# Altium PCB MainBoard.PcbDoc (part 1 of 2) (continued)
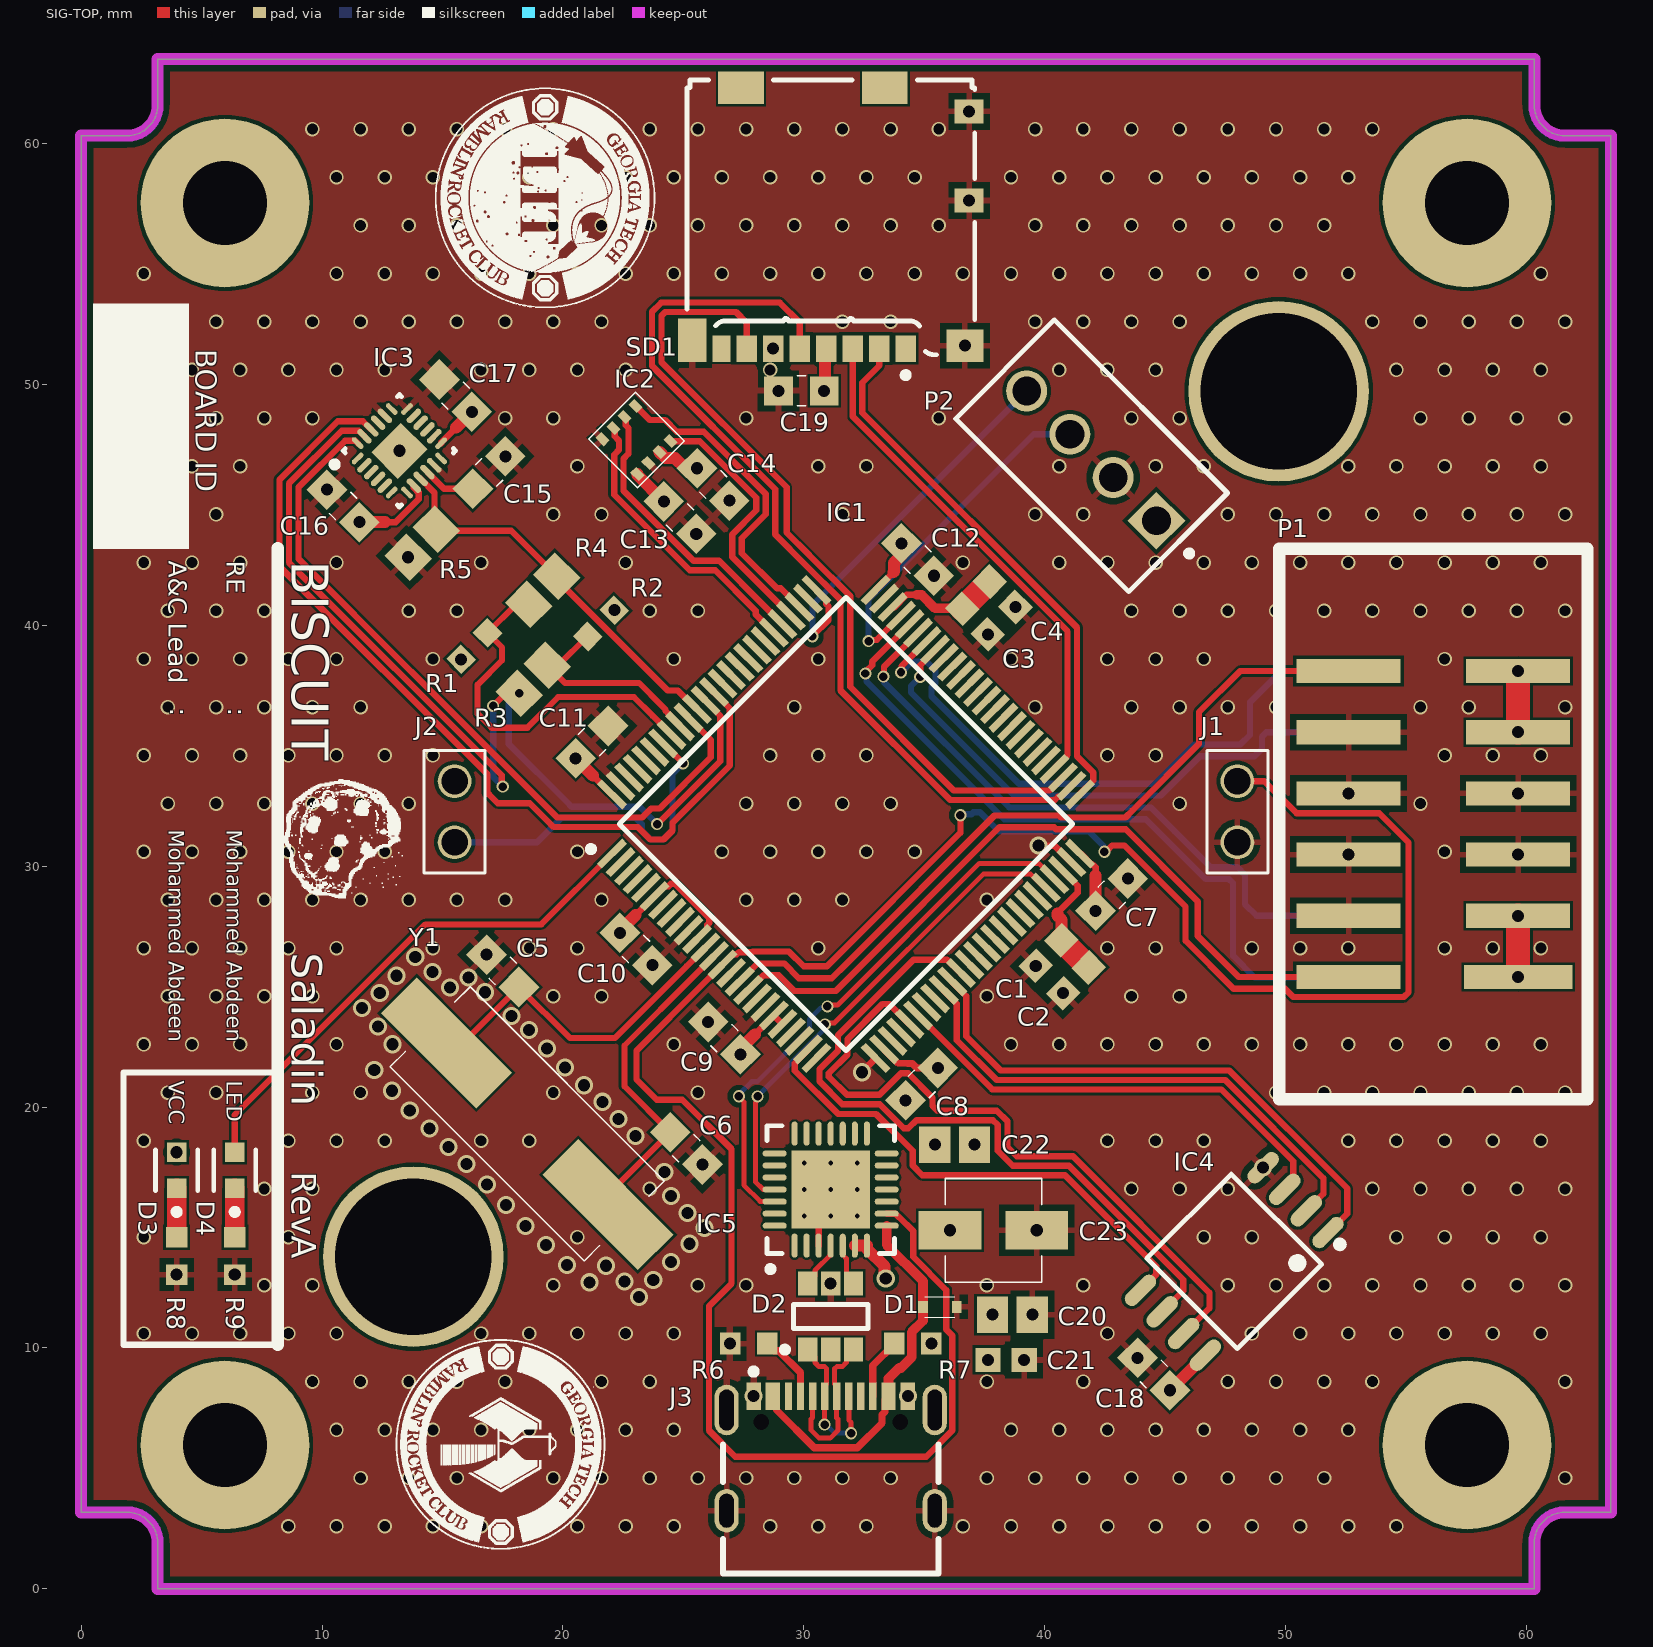
[diagram p0: SIG-TOP view]
## Design rules (kind name [scope] priority, off if disabled: settings)
Clearance ComponentClearance_1 [WithinRoom('IMU_Room') and WithinRoom('MCU_Room')] p1: gap=0.1 ignorepadtopadclearanceinfootprint=TRUE except(0: Hole-Hole; 0.14: Arc-Text Track-Text SMDPad-Text Text-Text; 0.15: SMDPad-THPad THPad-THPad THPad-Via THPad-Fill THPad-Poly THPad-Region Via-Via Via-Fill Via-Poly Via-Region; 0.152: SMDPad-Hole; 0.28: Arc-Hole Track-Hole THPad-Hole Via-Hole Text-Hole; 0.3: Fill-Hole Poly-Hole Region-Hole)
Clearance Clearance_1 [InNetClass('Feedback') And (ExistsOnLayer('GND') Or ExistsOnLayer('PWR')) vs (ExistsOnLayer('GND') Or ExistsOnLayer('PWR'))] p2: gap=0.2 ignorepadtopadclearanceinfootprint=FALSE except(0.1: Arc-Fill Arc-Poly Arc-Region Track-Fill Track-Poly Track-Region Fill-Text Poly-Text Region-Text; 0.127: SMDPad-SMDPad SMDPad-Fill SMDPad-Poly SMDPad-Region THPad-THPad Fill-Fill Fill-Poly Fill-Region Poly-Poly Poly-Region Region-Region; 0.152: SMDPad-Hole; 0.16: SMDPad-THPad; 0.23: Arc-Arc Arc-Track Arc-Text Track-Track Track-Text Text-Text; 0.254: Arc-Via Track-Via SMDPad-Via THPad-Via Via-Via Via-Text Hole-Hole; 0.28: Arc-Hole Track-Hole THPad-Hole Via-Hole Text-Hole; 0.3: Fill-Hole Poly-Hole Region-Hole) sourcerule=74 cellrowname=Feedback cellrowtype=2 cellcolname=All cellcoltype=0 innerlayers=TRUE
Clearance Clearance_2 [InNetClass('Feedback') And (ExistsOnLayer('SIG-TOP') Or ExistsOnLayer('SIG_BOT')) vs (ExistsOnLayer('SIG-TOP') Or ExistsOnLayer('SIG_BOT'))] p3: gap=0.2 ignorepadtopadclearanceinfootprint=FALSE except(0.1: Arc-Fill Arc-Poly Arc-Region Track-Fill Track-Poly Track-Region Fill-Text Poly-Text Region-Text; 0.127: SMDPad-SMDPad SMDPad-Fill SMDPad-Poly SMDPad-Region THPad-THPad Fill-Fill Fill-Poly Fill-Region Poly-Poly Poly-Region Region-Region; 0.152: SMDPad-Hole; 0.16: SMDPad-THPad; 0.23: Arc-Arc Arc-Track Arc-Text Track-Track Track-Text Text-Text; 0.254: Arc-Via Track-Via SMDPad-Via THPad-Via Via-Via Via-Text Hole-Hole; 0.28: Arc-Hole Track-Hole THPad-Hole Via-Hole Text-Hole; 0.3: Fill-Hole Poly-Hole Region-Hole) sourcerule=74 cellrowname=Feedback cellrowtype=2 cellcolname=All cellcoltype=0 outerlayers=TRUE
Clearance Clearance_3 [InNetClass('Feedback')] p4: gap=0.254 ignorepadtopadclearanceinfootprint=FALSE sourcerule=74 cellrowname=Feedback cellrowtype=2 cellcolname=All cellcoltype=0
Clearance Clearance_1 [InNetClass('Power') And (ExistsOnLayer('GND') Or ExistsOnLayer('PWR')) vs (ExistsOnLayer('GND') Or ExistsOnLayer('PWR'))] p5: gap=0.1 ignorepadtopadclearanceinfootprint=FALSE except(0.09: Arc-Arc Arc-Track Arc-Text Track-Track Track-Text Text-Text; 0.15: Arc-Hole Track-Hole SMDPad-SMDPad SMDPad-THPad THPad-THPad THPad-Via THPad-Fill THPad-Poly THPad-Region Via-Via Via-Fill Via-Poly Via-Region Text-Hole; 0.152: SMDPad-Hole; 0.2: THPad-Hole; 0.254: Hole-Hole; 0.28: Via-Hole; 0.3: Fill-Hole Poly-Hole Region-Hole) sourcerule=74 cellrowname=Power cellrowtype=2 cellcolname=All cellcoltype=0 innerlayers=TRUE
Clearance Clearance_2 [InNetClass('Power') And (ExistsOnLayer('SIG-TOP') Or ExistsOnLayer('SIG_BOT')) vs (ExistsOnLayer('SIG-TOP') Or ExistsOnLayer('SIG_BOT'))] p6: gap=0.1 ignorepadtopadclearanceinfootprint=FALSE except(0.09: Arc-Arc Arc-Track Arc-Text Track-Track Track-Text Text-Text; 0.15: Arc-Hole Track-Hole SMDPad-SMDPad SMDPad-THPad THPad-THPad THPad-Via THPad-Fill THPad-Poly THPad-Region Via-Via Via-Fill Via-Poly Via-Region Text-Hole; 0.152: SMDPad-Hole; 0.2: THPad-Hole; 0.254: Hole-Hole; 0.28: Via-Hole; 0.3: Fill-Hole Poly-Hole Region-Hole) sourcerule=74 cellrowname=Power cellrowtype=2 cellcolname=All cellcoltype=0 outerlayers=TRUE
Clearance Clearance_3 [InNetClass('Power')] p7: gap=0.254 ignorepadtopadclearanceinfootprint=FALSE sourcerule=74 cellrowname=Power cellrowtype=2 cellcolname=All cellcoltype=0
Clearance Clearance_1 [InNetClass('SPI') And (ExistsOnLayer('GND') Or ExistsOnLayer('PWR')) vs (ExistsOnLayer('GND') Or ExistsOnLayer('PWR'))] p8: gap=0.2 ignorepadtopadclearanceinfootprint=FALSE except(0.1: Arc-Fill Arc-Poly Arc-Region Track-Fill Track-Poly Track-Region Fill-Text Poly-Text Region-Text; 0.127: SMDPad-SMDPad SMDPad-Fill SMDPad-Poly SMDPad-Region THPad-THPad Fill-Fill Fill-Poly Fill-Region Poly-Poly Poly-Region Region-Region; 0.13: Arc-Arc Arc-Track Arc-Text Track-Track Track-Text Text-Text; 0.14: Arc-SMDPad Track-SMDPad SMDPad-Text; 0.152: SMDPad-Hole; 0.16: SMDPad-THPad; 0.254: Arc-Via Track-Via SMDPad-Via THPad-Via Via-Via Via-Text Hole-Hole; 0.28: Arc-Hole Track-Hole THPad-Hole Via-Hole Text-Hole; 0.3: Fill-Hole Poly-Hole Region-Hole) sourcerule=74 cellrowname=SPI cellrowtype=2 cellcolname=All cellcoltype=0 innerlayers=TRUE
Clearance Clearance_2 [InNetClass('SPI') And (ExistsOnLayer('SIG-TOP') Or ExistsOnLayer('SIG_BOT')) vs (ExistsOnLayer('SIG-TOP') Or ExistsOnLayer('SIG_BOT'))] p9: gap=0.2 ignorepadtopadclearanceinfootprint=FALSE except(0.1: Arc-Fill Arc-Poly Arc-Region Track-Fill Track-Poly Track-Region Fill-Text Poly-Text Region-Text; 0.127: SMDPad-SMDPad SMDPad-Fill SMDPad-Poly SMDPad-Region THPad-THPad Fill-Fill Fill-Poly Fill-Region Poly-Poly Poly-Region Region-Region; 0.13: Arc-Arc Arc-Track Arc-Text Track-Track Track-Text Text-Text; 0.14: Arc-SMDPad Track-SMDPad SMDPad-Text; 0.152: SMDPad-Hole; 0.16: SMDPad-THPad; 0.254: Arc-Via Track-Via SMDPad-Via THPad-Via Via-Via Via-Text Hole-Hole; 0.28: Arc-Hole Track-Hole THPad-Hole Via-Hole Text-Hole; 0.3: Fill-Hole Poly-Hole Region-Hole) sourcerule=74 cellrowname=SPI cellrowtype=2 cellcolname=All cellcoltype=0 outerlayers=TRUE
Clearance Clearance_3 [InNetClass('SPI')] p10: gap=0.254 ignorepadtopadclearanceinfootprint=FALSE sourcerule=74 cellrowname=SPI cellrowtype=2 cellcolname=All cellcoltype=0
Clearance Clearance_1 [InNetClass('UART') And (ExistsOnLayer('GND') Or ExistsOnLayer('PWR')) vs (ExistsOnLayer('GND') Or ExistsOnLayer('PWR'))] p11: gap=0.2 ignorepadtopadclearanceinfootprint=FALSE except(0.1: Arc-Fill Arc-Poly Arc-Region Track-Fill Track-Poly Track-Region Fill-Text Poly-Text Region-Text; 0.127: SMDPad-SMDPad SMDPad-Fill SMDPad-Poly SMDPad-Region THPad-THPad Fill-Fill Fill-Poly Fill-Region Poly-Poly Poly-Region Region-Region; 0.152: SMDPad-Hole; 0.16: SMDPad-THPad; 0.23: Arc-Arc Arc-Track Arc-Text Track-Track Track-Text Text-Text; 0.254: Arc-Via Track-Via SMDPad-Via THPad-Via Via-Via Via-Text Hole-Hole; 0.28: Arc-Hole Track-Hole THPad-Hole Via-Hole Text-Hole; 0.3: Fill-Hole Poly-Hole Region-Hole) sourcerule=74 cellrowname=UART cellrowtype=2 cellcolname=All cellcoltype=0 innerlayers=TRUE
Clearance Clearance_2 [InNetClass('UART') And (ExistsOnLayer('SIG-TOP') Or ExistsOnLayer('SIG_BOT')) vs (ExistsOnLayer('SIG-TOP') Or ExistsOnLayer('SIG_BOT'))] p12: gap=0.2 ignorepadtopadclearanceinfootprint=FALSE except(0.1: Arc-Fill Arc-Poly Arc-Region Track-Fill Track-Poly Track-Region Fill-Text Poly-Text Region-Text; 0.127: SMDPad-SMDPad SMDPad-Fill SMDPad-Poly SMDPad-Region THPad-THPad Fill-Fill Fill-Poly Fill-Region Poly-Poly Poly-Region Region-Region; 0.152: SMDPad-Hole; 0.16: SMDPad-THPad; 0.23: Arc-Arc Arc-Track Arc-Text Track-Track Track-Text Text-Text; 0.254: Arc-Via Track-Via SMDPad-Via THPad-Via Via-Via Via-Text Hole-Hole; 0.28: Arc-Hole Track-Hole THPad-Hole Via-Hole Text-Hole; 0.3: Fill-Hole Poly-Hole Region-Hole) sourcerule=74 cellrowname=UART cellrowtype=2 cellcolname=All cellcoltype=0 outerlayers=TRUE
Clearance Clearance_3 [InNetClass('UART')] p13: gap=0.254 ignorepadtopadclearanceinfootprint=FALSE sourcerule=74 cellrowname=UART cellrowtype=2 cellcolname=All cellcoltype=0
Clearance Clearance_1 [(ExistsOnLayer('GND') Or ExistsOnLayer('PWR')) vs (ExistsOnLayer('GND') Or ExistsOnLayer('PWR'))] p14: gap=0.1 ignorepadtopadclearanceinfootprint=FALSE except(0.09: Arc-Arc Arc-Track Arc-Text Track-Track Track-Text Text-Text; 0.15: SMDPad-SMDPad SMDPad-THPad THPad-THPad THPad-Via THPad-Fill THPad-Poly THPad-Region Via-Via Via-Fill Via-Poly Via-Region; 0.152: SMDPad-Hole; 0.254: Hole-Hole; 0.28: Arc-Hole Track-Hole THPad-Hole Via-Hole Text-Hole; 0.3: Fill-Hole Poly-Hole Region-Hole) sourcerule=74 cellrowname=All cellrowtype=0 cellcolname=All cellcoltype=0 innerlayers=TRUE
Clearance Clearance_2 [(ExistsOnLayer('SIG-TOP') Or ExistsOnLayer('SIG_BOT')) vs (ExistsOnLayer('SIG-TOP') Or ExistsOnLayer('SIG_BOT'))] p15: gap=0.1 ignorepadtopadclearanceinfootprint=FALSE except(0.09: Arc-Arc Arc-Track Arc-Text Track-Track Track-Text Text-Text; 0.15: SMDPad-SMDPad SMDPad-THPad THPad-THPad THPad-Via THPad-Fill THPad-Poly THPad-Region Via-Via Via-Fill Via-Poly Via-Region; 0.152: SMDPad-Hole; 0.254: Hole-Hole; 0.28: Arc-Hole Track-Hole THPad-Hole Via-Hole Text-Hole; 0.3: Fill-Hole Poly-Hole Region-Hole) sourcerule=74 cellrowname=All cellrowtype=0 cellcolname=All cellcoltype=0 outerlayers=TRUE
Clearance [All] p16: gap=0.254 ignorepadtopadclearanceinfootprint=FALSE ismatrix=TRUE miname0=SCL mitype0=1 miname1=SPI mitype1=2 miname2=Feedback mitype2=2 miname3=Power mitype3=2 miname4=I2C mitype4=2 miname5=UART mitype5=2
DiffPairsRouting DifferentialPairsRouting_6 [InNetClass('Feedback')] p1: maxlimit=0.254 minlimit=0.254 mostfreqgap=0.254 toplayer_minwidth=0.381 toplayer_maxwidth=0.381 toplayer_prefwidth=0.381 midlayer1_minwidth=0.381 midlayer1_maxwidth=0.381 midlayer1_prefwidth=0.381 midlayer2_minwidth=0.381 midlayer2_maxwidth=0.381 midlayer2_prefwidth=0.381 bottomlayer_minwidth=0.381 bottomlayer_maxwidth=0.381 bottomlayer_prefwidth=0.381 maxuncoupledlength=12.7
DiffPairsRouting DifferentialPairsRouting_7 [InNetClass('I2C')] p2: maxlimit=0.254 minlimit=0.254 mostfreqgap=0.254 toplayer_minwidth=0.381 toplayer_maxwidth=0.381 toplayer_prefwidth=0.381 midlayer1_minwidth=0.381 midlayer1_maxwidth=0.381 midlayer1_prefwidth=0.381 midlayer2_minwidth=0.381 midlayer2_maxwidth=0.381 midlayer2_prefwidth=0.381 bottomlayer_minwidth=0.381 bottomlayer_maxwidth=0.381 bottomlayer_prefwidth=0.381 maxuncoupledlength=12.7
DiffPairsRouting DifferentialPairsRouting_8 [InNetClass('UART')] p3: maxlimit=0.254 minlimit=0.254 mostfreqgap=0.254 toplayer_minwidth=0.381 toplayer_maxwidth=0.381 toplayer_prefwidth=0.381 midlayer1_minwidth=0.381 midlayer1_maxwidth=0.381 midlayer1_prefwidth=0.381 midlayer2_minwidth=0.381 midlayer2_maxwidth=0.381 midlayer2_prefwidth=0.381 bottomlayer_minwidth=0.381 bottomlayer_maxwidth=0.381 bottomlayer_prefwidth=0.381 maxuncoupledlength=12.7
DiffPairsRouting DifferentialPairsRouting_9 [InNetClass('SPI')] p4: maxlimit=0.254 minlimit=0.254 mostfreqgap=0.254 toplayer_minwidth=0.381 toplayer_maxwidth=0.381 toplayer_prefwidth=0.381 midlayer1_minwidth=0.381 midlayer1_maxwidth=0.381 midlayer1_prefwidth=0.381 midlayer2_minwidth=0.381 midlayer2_maxwidth=0.381 midlayer2_prefwidth=0.381 bottomlayer_minwidth=0.381 bottomlayer_maxwidth=0.381 bottomlayer_prefwidth=0.381 maxuncoupledlength=12.7
DiffPairsRouting DifferentialPairsRouting_1 [InDifferentialPairClass('All Differential Pairs')] p5: maxlimit=0.127 minlimit=0.127 mostfreqgap=0.127 toplayer_minwidth=0.205 toplayer_maxwidth=0.205 toplayer_prefwidth=0.205 midlayer1_minwidth=0.131 midlayer1_maxwidth=0.131 midlayer1_prefwidth=0.131 midlayer2_minwidth=0.131 midlayer2_maxwidth=0.131 midlayer2_prefwidth=0.131 bottomlayer_minwidth=0.205 bottomlayer_maxwidth=0.205 bottomlayer_prefwidth=0.205 impedanceprofiledriven=TRUE impedanceprofileid={D4156459-0CC8-49B1-82A6-8FEFDC2DF716} impedanceprofilevalue=90.000000 maxuncoupledlength=12.7
DiffPairsRouting [All] p6: maxlimit=0.254 minlimit=0.254 mostfreqgap=0.254 toplayer_minwidth=0.381 toplayer_maxwidth=0.381 toplayer_prefwidth=0.381 midlayer1_minwidth=0.381 midlayer1_maxwidth=0.381 midlayer1_prefwidth=0.381 midlayer2_minwidth=0.381 midlayer2_maxwidth=0.381 midlayer2_prefwidth=0.381 bottomlayer_minwidth=0.381 bottomlayer_maxwidth=0.381 bottomlayer_prefwidth=0.381 maxuncoupledlength=12.7
HoleSize [All] p1: absolutevalues=TRUE maxlimit=25.4 minlimit=0 maxpercent=80.000 minpercent=20.000
MinimumSolderMaskSliver [All] p1: minsoldermaskwidth=0.048
PlaneConnect [All] p1: pad.planeconnectstyle=Relief pad.reliefexpansion=0.508 pad.reliefentries=4 pad.reliefconductorwidth=0.254 pad.reliefairgap=0.254 via.planeconnectstyle=Direct via.reliefexpansion=0.508 via.reliefentries=4 via.reliefconductorwidth=0.254 via.reliefairgap=0.254
PolygonConnect PolygonConnectStyle_5 [InNetClass('Feedback')] p1: connectstyle=Relief reliefconductorwidth=0.254 reliefentries=4 polygonreliefangle="90 Angle" airgapwidth=0.254
PolygonConnect PolygonConnectStyle_6 [InNetClass('I2C')] p2: connectstyle=Relief reliefconductorwidth=0.254 reliefentries=4 polygonreliefangle="90 Angle" airgapwidth=0.254
PolygonConnect PolygonConnectStyle_7 [InNetClass('UART')] p3: connectstyle=Relief reliefconductorwidth=0.254 reliefentries=4 polygonreliefangle="90 Angle" airgapwidth=0.254
PolygonConnect PolygonConnectStyle_8 [InNetClass('SPI')] p4: connectstyle=Relief reliefconductorwidth=0.254 reliefentries=4 polygonreliefangle="90 Angle" airgapwidth=0.254
PolygonConnect [All] p5: thpad.connectstyle=Relief thpad.reliefconductorwidth=0.254 thpad.reliefentries=4 thpad.polygonreliefangle="90 Angle" thpad.airgapwidth=0.254 smdpad.connectstyle=Relief smdpad.reliefconductorwidth=0.254 smdpad.reliefentries=4 smdpad.polygonreliefangle="90 Angle" smdpad.airgapwidth=0.254 via.connectstyle=Direct via.reliefconductorwidth=0.254 via.reliefentries=4 via.polygonreliefangle="90 Angle" via.airgapwidth=0.254
RoomDefinition IMU_Room [InComponent('IC3')] p1: confinementstyle=ConfineIn formatcopy=TRUE lockcomponents=TRUE outline 13.172,50.571 16.561,47.203 13.172,43.836 13.089,43.836 9.728,47.176
RoomDefinition MCU_Room [InComponent('IC1')] p2: confinementstyle=ConfineIn formatcopy=TRUE lockcomponents=TRUE outline 31.75,44.196 44.221,31.725 31.852,19.355 31.623,19.355 19.304,31.674 19.304,31.826
RoutingVias RoutingViaStyle_6 [InDifferentialPair('USB')] p1: holewidth=0.35 width=0.5 viastyle="Through Hole" minholewidth=0.35 minwidth=0.5 maxholewidth=0.35 maxwidth=0.5
RoutingVias RoutingViaStyle_1 [InNetClass('Feedback')] p2: holewidth=0.35 width=0.5 viastyle="Through Hole" minholewidth=0.35 minwidth=0.5 maxholewidth=0.35 maxwidth=0.5
RoutingVias RoutingViaStyle_2 [InNetClass('I2C')] p3: holewidth=0.35 width=0.5 viastyle="Through Hole" minholewidth=0.35 minwidth=0.5 maxholewidth=0.35 maxwidth=0.5
RoutingVias RoutingViaStyle_3 [InNetClass('UART')] p4: holewidth=0.35 width=0.5 viastyle="Through Hole" minholewidth=0.35 minwidth=0.5 maxholewidth=0.35 maxwidth=0.5
RoutingVias RoutingViaStyle_4 [InNetClass('SPI')] p5: holewidth=0.35 width=0.5 viastyle="Through Hole" minholewidth=0.35 minwidth=0.5 maxholewidth=0.35 maxwidth=0.5
RoutingVias RoutingViaStyle_5 [InNetClass('Power')] p6: holewidth=0.5 width=0.75 viastyle="Through Hole" minholewidth=0.5 minwidth=0.75 maxholewidth=0.5 maxwidth=0.75
RoutingVias RoutingViaStyle_7 [InDifferentialPairClass('All Differential Pairs')] p7: holewidth=0.35 width=0.5 viastyle="Through Hole" minholewidth=0.35 minwidth=0.5 maxholewidth=0.35 maxwidth=0.5
RoutingVias [All] p8: holewidth=0.35 width=0.5 viastyle="Through Hole" minholewidth=0.35 minwidth=0.5 maxholewidth=0.35 maxwidth=0.5
SilkToSilkClearance [All] p1: silktosilkclearance=0
SilkToSolderMaskClearance [IsPad] p1: minsilkscreentomaskgap=0.05 clearancetoexposedcopper=TRUE
SolderMaskExpansion [All] p1: expansion=0.102 istentingtop=FALSE
UnRoutedNet [All] p1: checkbadconnections=TRUE
Width MaxMinWidth_8 [WithinRoom('MCU_Room')] p1: maxlimit=0.27 minlimit=0.15 preferedwidth=0.25 minimp=50.000000 maximp=50.000000 favimp=50.000000
Width MaxMinWidth_9 [WithinRoom('IMU_Room')] p2: maxlimit=0.27 minlimit=0.15 preferedwidth=0.25 minimp=50.000000 maximp=50.000000 favimp=50.000000
Width MaxMinWidth_1 [InNetClass('Feedback')] p3: maxlimit=0.3 minlimit=0.16 preferedwidth=0.25 minimp=50.000000 maximp=50.000000 favimp=50.000000
Width MaxMinWidth_2 [InNetClass('I2C')] p4: maxlimit=0.3 minlimit=0.16 preferedwidth=0.25 minimp=50.000000 maximp=50.000000 favimp=50.000000
Width MaxMinWidth_3 [InNetClass('UART')] p5: maxlimit=0.3 minlimit=0.16 preferedwidth=0.25 minimp=50.000000 maximp=50.000000 favimp=50.000000
Width MaxMinWidth_4 [InNetClass('SPI')] p6: maxlimit=0.262 minlimit=0.181 preferedwidth=0.262 toplayer_minwidth=0.262 midlayer1_maxwidth=0.181 midlayer1_prefwidth=0.181 midlayer2_maxwidth=0.181 midlayer2_prefwidth=0.181 bottomlayer_minwidth=0.262 impedanceprofiledriven=TRUE impedanceprofileid={D1D7C386-B663-4712-AC62-63BC0E91AD3A} impedanceprofilevalue=50.000000 minimp=50.000000 maximp=50.000000 favimp=50.000000
Width MaxMinWidth_5 [InNetClass('Power')] p7: maxlimit=2 minlimit=0.25 preferedwidth=0.5 minimp=50.000000 maximp=50.000000 favimp=50.000000
Width [All] p8: maxlimit=1 minlimit=0.254 preferedwidth=0.254 minimp=50.000000 maximp=50.000000 favimp=50.000000
23 further rules are at their usual default settings.

## Classes and differential pairs
net class Power: 3V3 5V GND VBUS
net class SPI: BMP_CS BMP_MISO BMP_MOSI BMP_SCK FLASH_CS FLASH_IO0 FLASH_IO1 FLASH_IO2 FLASH_IO3 FLASH_SCK IMU_CS IMU_MISO IMU_MOSI IMU_SCK SD_CS SD_MISO SD_MOSI SD_SCK
net class UART: RX_APRS RX_USB RX_XBee TX_APRS TX_USB TX_XBee
net class I2C: SCL SDA
net class Feedback: IF VF
component class U_USBC: C20 C21 C22 C23 D1 D2 IC5 J3 R6 R7
component class U_Sensors.A.Data: C13 C14 C15 C16 C17 C18 C19 IC2 IC3 IC4 R5 SD1
component class U_MCU: C1 C2 C3 C4 C5 C6 C7 C8 C9 C10 C11 C12 D3 D4 IC1 J1 J2 P2 R1 R2 R3 R4 R8 R9 Y1
component class Connections: P1 P3
differential pair USB: +USB_D_P -USB_D_N
differential pair USB_IN: +USB_D_IN_P -USB_D_IN_N

## Components (designator, comment, footprint, x,y, rotation, side; value= is the part's Value field where it differs from the comment)
C1 "CL10A225KO8NNNC" 0603-CAP#1 40.157,26.391 r45 top
C2 "CL10A225KO8NNNC" 0603-CAP#1 41.297,25.259 r45 top
C3 "CL10A225KO8NNNC" 0603-CAP#1 37.107,40.152 r135 top
C4 "CL10A225KO8NNNC" 0603-CAP#1 38.253,41.289 r135 top
C5 "600F180FT250XT" CAP-0805 17.501,25.654 r315 top
C6 "600F180FT250XT" CAP-0805 25.121,18.288 r135 top
C7 "KGM21NR71E104KT" CAP-0805 42.781,28.814 r225 top
C8 "KGM21NR71E104KT" CAP-0805 34.892,20.951 r45 top
C9 "KGM21NR71E104KT" CAP-0805 26.698,22.859 r315 top
C10 "KGM21NR71E104KT" CAP-0805 23.037,26.561 r135 top
C11 "KGM21NR71E104KT" CAP-0805 21.2,35.148 r225 top
C12 "KGM21NR71E104KT" CAP-0805 34.725,42.728 r135 top
C13 "KGM21NR71E104KT" CAP-0805 24.861,44.468 r135 top
C14 "KGM21NR71E104KT" CAP-0805 26.238,45.847 r135 top
C15 "KGM21NR71E104KT" CAP-0805 16.937,46.343 r225 top
C16 "KGM21NR71E104KT" CAP-0805 10.874,44.955 r315 top
C17 "KGM21NR71E104KT" CAP-0805 15.545,49.53 r315 top
C18 "KGM21NR71E104KT" CAP-0805 44.526,8.915 r315 top
C19 "KGM21NR71E104KT" CAP-0805 29.896,49.733 r0 top
C20 "KGM21NR71E104KT" 0805-RES#1 38.659,11.379 r180 top
C21 "C0603C105Z8VAC7867" 0603-CAP#2 38.397,9.501 r180 top
C22 "KGM21NR71E104KT" 0805-RES#1 36.262,18.437 r180 top
C23 "865080640004" 865080640004 37.868,14.884 r180 top
D1 "PESD5V0X1UB,135" PESD5V0X1UB,135 35.646,11.708 r0 top
D2 "USBLC6-2SC6" SOT95P280X145-6N 31.115,11.303 r90 top
D3 "LTST-C190KGKT" FP-LTST-C190KGKT-MFG 3.962,17.374 r90 top
D4 "LTST-C190KGKT" FP-LTST-C190KGKT-MFG 6.375,17.374 r90 top
IC1 "STM32H723VGT6" QFP50P1600X1600X160-100N 31.75,31.75 r45 top
IC2 "BME280" BME280 23.051,47.689 r135 top
IC3 "ICM-20649" 24-QFN 13.208,47.244 r45 top
IC4 "W25Q32JVSSIQ" F-SOIC127P790X216-8N 47.867,13.592 r225 top
IC5 "CP2102-GMR" 28-VFQFN 31.115,16.573 r90 top
J1 "61300211121" HEADER-2-Pin 47.998,32.258 r90 top
J2 "61300211121" HEADER-2-Pin 15.502,32.258 r90 top
J3 "USB4105-GF-A" USB4105-GF-A 31.115,4.318 r0 top
P1 "HTST-106-01-L-DV-P-TR" HTST-106-01-L-DV-P-TR 56.134,31.75 r90 top
P2 "22-27-2041" MOLX-22-27-2041_V 41.944,47.032 r315 top
P3 "NPPC062KFMS-RC" NPPC062KFMS-RC 56.134,31.75 r90 bottom
R1 "ERA-3AEB332V" 0603-RES#1 16.318,39.134 r225 top
R2 "ERA-3AEB332V" 0603-RES#1 21.584,40.081 r225 top
R3 "ERJ-6GEY0R00V" 0805-RES#2 18.763,37.757 r225 top
R4 "ERJ-6GEY0R00V" 0805-RES#1 19.154,41.453 r45 top
R5 "ERJ-6GEY0R00V" 0805-RES#1 14.156,43.406 r45 top
R6 "ERA-3AEB332V" 0603-RES#2 27.711,10.181 r180 top
R7 "ERA-3AEB332V" 0603-RES#2 34.523,10.181 r0 top
R8 "ERJ-3EKF2670V" 0603-RES#1 3.962,13.818 r270 top
R9 "ERJ-3EKF2670V" 0603-RES#1 6.375,13.818 r270 top
SD1 "1040310811" MOLX-104031-0811_V 31.115,56.896 r0 top
Y1 "ABLS-8.000MHZ-B2-T" ABLS-8.000MHZ-B2-T 18.517,19.304 r315 top

## Footprints (in the part's own frame and the unit in brackets; to place one, negate y for a bottom-side part, rotate by r counter-clockwise, add the part's x,y. Pads: shape width x height; smd on the part's side, far side on the other; paste and mask are expansions set on the pad)
24-QFN [mm]
  oval 0.6x0.21 smd mask+0.01: 1(-1.45,1) 6(-1.45,-1) 13(1.45,-1) 18(1.45,1)
  oval 0.75x0.25 smd mask+0.05: 2(-1.45,0.6) 3(-1.45,0.2) 4(-1.45,-0.2) 5(-1.45,-0.6) 14(1.45,-0.6) 15(1.45,-0.2) 16(1.45,0.2) 17(1.45,0.6)
  oval 0.21x0.6 smd mask+0.01: 7(-1,-1.45) 12(1,-1.45) 19(1,1.45) 24(-1,1.45)
  oval 0.25x0.75 smd mask+0.05: 8(-0.6,-1.45) 9(-0.2,-1.45) 10(0.2,-1.45) 11(0.6,-1.45) 20(0.6,1.45) 21(0.2,1.45) 22(-0.2,1.45) 23(-0.6,1.45)
  rect 1.73x1.57 smd mask+0.05: 25(0,0)
  silkscreen extent -2.42,-1.65 1.65,1.65, body extent -1.5,-1.5 1.5,1.5, height 0.9
28-VFQFN [mm] "QFN, 28-Leads, Body 5.00x5.00mm, Pitch 0.50mm, Thermal Pad 3.25x3.25mm, IPC Medium Density"
  oval 1x0.25 smd mask+0.05: 1(-2.325,1.5) 2(-2.325,1) 3(-2.325,0.5) 4(-2.325,0) 5(-2.325,-0.5) 6(-2.325,-1) 7(-2.325,-1.5) 15(2.325,-1.5) 16(2.325,-1) 17(2.325,-0.5) 18(2.325,0) 19(2.325,0.5) 20(2.325,1) 21(2.325,1.5)
  oval 0.25x1 smd mask+0.05: 8(-1.5,-2.325) 9(-1,-2.325) 10(-0.5,-2.325) 11(0,-2.325) 12(0.5,-2.325) 13(1,-2.325) 14(1.5,-2.325) 22(1.5,2.325) 23(1,2.325) 24(0.5,2.325) 25(0,2.325) 26(-0.5,2.325) 27(-1,2.325) 28(-1.5,2.325)
  rect 3.25x3.25 smd mask+0.05: 29(0,0)
  silkscreen extent -3.42,-2.65 2.65,2.65, body extent -2.5,-2.5 2.5,2.5, height 1
0603-CAP#1 [mm]
  rect 1.05x1 smd: 1(-0.75,0) 2(0.75,0)
  body extent -0.88,-0.48 0.88,0.47, height 0.95
0603-CAP#2 [mm]
  rect 1.05x1 smd mask+0.05: 1(-0.75,0) 2(0.75,0)
  body extent -0.88,-0.48 0.87,0.47, height 0.95
0603-RES#1 [mm]
  rect 0.85x0.9 smd: 1(-0.775,0) 2(0.775,0)
  body extent -0.85,-0.45 0.85,0.45, height 0.55
0603-RES#2 [mm]
  rect 0.85x0.9 smd mask+0.05: 1(-0.775,0) 2(0.775,0)
  body extent -0.85,-0.45 0.85,0.45, height 0.55
0805-RES#1 [mm]
  rect 1.3x1.5 smd: 1(-0.825,0) 2(0.825,0)
  body extent -1.12,-0.75 1.13,0.75, height 0.6
0805-RES#2 [mm]
  rect 1.3x1.5 smd mask+0.05: 1(-0.825,0) 2(0.825,0)
  body extent -1.12,-0.75 1.13,0.75, height 0.6
865080640004 [mm]
  rect 2.6x1.6 smd mask+0.05: 1(-1.8,0) 2(1.8,0)
  silkscreen extent -2,-2.15 2,2.15, body extent -2.6,-2.25 2.6,2.25, height 5.67
ABLS-8.000MHZ-B2-T [mm]
  rect 5.6x2.1 smd mask+0.05: 1(-4.75,0) 2(4.75,0)
  silkscreen extent -5.7,-2.35 5.7,2.35, body extent -6.35,-2.35 6.35,2.35, height 4.3
BME280 [mm]
  rect 0.5x0.35 smd mask+0.05: 1(1.025,0.975) 2(1.025,0.325) 3(1.025,-0.325) 4(1.025,-0.975) 5(-1.025,-0.975) 6(-1.025,-0.325) 7(-1.025,0.325) 8(-1.025,0.975)
  silkscreen extent -1.43,-1.38 1.43,1.38, body extent -1.25,-1.25 1.25,1.25, height 1.02
CAP-0805 [mm]
  rect 1.2x1.2 smd mask+0.05: 1(-0.95,0) 2(0.95,0)
  silkscreen extent -0.18,-0.63 0.18,0.63, body extent -1.01,-0.5 1.01,0.5, height 0.72
F-SOIC127P790X216-8N [mm]
  oval 1.6x0.6 smd: 1(-3.6,1.905) 2(-3.6,0.635) 3(-3.6,-0.635) 4(-3.6,-1.905) 5(3.6,-1.905) 6(3.6,-0.635) 7(3.6,0.635) 8(3.6,1.905)
  silkscreen extent -3.82,-2.65 2.47,2.82
FP-LTST-C190KGKT-MFG [mm]
  rect 0.8x0.8 smd paste+0 mask+0: 1(-0.75,0) 2(0.75,0)
  silkscreen extent -1.85,-0.87 0.85,0.87, body extent -1.25,-0.55 1.25,0.55, height 0.25
HEADER-2-Pin [mm]
  round 1.4 hole 1.1 mask+0.05: 1(-1.27,0) 2(1.27,0)
  silkscreen extent -2.54,-1.27 2.54,1.27, body extent -2.54,-1.27 2.54,1.27, height 8.55
HTST-106-01-L-DV-P-TR [mm]
  rect 1x4.5 smd mask+0.05: 1(-6.35,-3.52)
  rect 1x4.32 smd mask+0.05: 2(-3.81,-3.52) 3(-1.27,-3.52) 4(1.27,-3.52) 5(3.81,-3.52) 6(6.35,-3.52) 7(6.35,3.52) 8(3.81,3.52) 9(1.27,3.52) 10(-1.27,3.52) 11(-3.81,3.52) 12(-6.35,3.52)
  silkscreen extent -11.43,-6.4 11.43,6.4, body extent -11.43,-5.59 11.43,5.59, height 11.46
MOLX-22-27-2041_V [mm] "CONN, 4-Leads, Body 10.16x5.8mm, Pitch 2.54mm"
  rect 1.7x1.7 hole 1.19: 1(3.81,0)
  round 1.7 hole 1.19: 2(1.27,0) 3(-1.27,0) 4(-3.81,0)
  silkscreen extent -5.08,-2.9 5.85,2.9, body extent -5.08,-2.9 5.08,2.9, height 11.7
MOLX-104031-0811_V [mm] "Micro SD, 8-Leads, Body 11.95x11.4mm, Pitch 1.1mm"
  rect 0.85x1.1 smd mask+0.05: 1(3.113,-5.412) 2(2.013,-5.412) 3(0.913,-5.412) 4(-0.188,-5.412) 5(-1.288,-5.412) 6(-2.387,-5.412) 7(-3.487,-5.412)
  rect 0.75x1.1 smd mask+0.05: 8(-4.537,-5.412)
  rect 1.2x1 smd mask+0.05: 9(5.748,0.738) 10(5.748,4.438)
  rect 1.55x1.35 smd mask+0.05: 11(5.573,-5.287)
  rect 1.17x1.8 smd mask+0.05: 12(-5.747,-5.062)
  rect 1.9x1.35 smd mask+0.05: 13(-3.722,5.413) 14(2.248,5.413)
  silkscreen extent -5.97,-6.64 5.98,5.74, body extent -5.97,-5.66 5.98,5.74, height 1.45
NPPC062KFMS-RC [mm]
  rect 1x4.5 smd mask+0.05: 1(-6.35,-3.52)
  rect 1x4.32 smd mask+0.05: 2(-3.81,-3.52) 3(-1.27,-3.52) 4(1.27,-3.52) 5(3.81,-3.52) 6(6.35,-3.52) 7(6.35,3.52) 8(3.81,3.52) 9(1.27,3.52) 10(-1.27,3.52) 11(-3.81,3.52) 12(-6.35,3.52)
  silkscreen extent -7.87,-6.4 7.87,6.4
PESD5V0X1UB,135 [mm]
  rect 0.4x0.5 smd mask+0.05: 1(-0.7,0) 2(0.7,0)
  silkscreen extent -0.63,-0.43 0.63,0.43, body extent -0.83,-0.42 0.83,0.42, height 0.76
QFP50P1600X1600X160-100N [mm]
  rect 1.475x0.3 smd mask+0.05: 1(-7.738,6) 2(-7.738,5.5) 3(-7.738,5) 4(-7.738,4.5) 5(-7.738,4) 6(-7.738,3.5) 7(-7.738,3) 8(-7.738,2.5) 9(-7.738,2) 10(-7.738,1.5) 11(-7.738,1) 12(-7.738,0.5) 13(-7.738,0) 14(-7.738,-0.5) 15(-7.738,-1) 16(-7.738,-1.5) 17(-7.738,-2) 18(-7.738,-2.5) 19(-7.738,-3) 20(-7.738,-3.5) 21(-7.738,-4) 22(-7.738,-4.5) 23(-7.738,-5) 24(-7.738,-5.5) 25(-7.738,-6) 51(7.738,-6) 52(7.738,-5.5) 53(7.738,-5) 54(7.738,-4.5) 55(7.738,-4) 56(7.738,-3.5) 57(7.738,-3) 58(7.738,-2.5) 59(7.738,-2) 60(7.738,-1.5) 61(7.738,-1) 62(7.738,-0.5) 63(7.738,0) 64(7.738,0.5) 65(7.738,1) 66(7.738,1.5) 67(7.738,2) 68(7.738,2.5) 69(7.738,3) 70(7.738,3.5) 71(7.738,4) 72(7.738,4.5) 73(7.738,5) 74(7.738,5.5) 75(7.738,6)
  rect 0.3x1.475 smd mask+0.05: 26(-6,-7.738) 27(-5.5,-7.738) 28(-5,-7.738) 29(-4.5,-7.738) 30(-4,-7.738) 31(-3.5,-7.738) 32(-3,-7.738) 33(-2.5,-7.738) 34(-2,-7.738) 35(-1.5,-7.738) 36(-1,-7.738) 37(-0.5,-7.738) 38(0,-7.738) 39(0.5,-7.738) 40(1,-7.738) 41(1.5,-7.738) 42(2,-7.738) 43(2.5,-7.738) 44(3,-7.738) 45(3.5,-7.738) 46(4,-7.738) 47(4.5,-7.738) 48(5,-7.738) 49(5.5,-7.738) 50(6,-7.738) 76(6,7.738) 77(5.5,7.738) 78(5,7.738) 79(4.5,7.738) 80(4,7.738) 81(3.5,7.738) 82(3,7.738) 83(2.5,7.738) 84(2,7.738) 85(1.5,7.738) 86(1,7.738) 87(0.5,7.738) 88(0,7.738) 89(-0.5,7.738) 90(-1,7.738) 91(-1.5,7.738) 92(-2,7.738) 93(-2.5,7.738) 94(-3,7.738) 95(-3.5,7.738) 96(-4,7.738) 97(-4.5,7.738) 98(-5,7.738) 99(-5.5,7.738) 100(-6,7.738)
  silkscreen extent -8.35,-6.65 6.65,6.87, body extent -8,-8 8,8, height 1.6
SOT95P280X145-6N [mm] "SOT23, 6-Leads, Body 2.90x2.80mm, Pitch 0.95mm, IPC Medium Density"
  rect 1x0.8 smd mask+0.05: 1(-1.375,0.95) 2(-1.375,0) 3(-1.375,-0.95) 4(1.375,0.95) 5(1.375,0) 6(1.375,-0.95)
  silkscreen extent -1.5,-1.55 0.5,2.02, body extent -0.88,-1.52 0.87,1.53, height 1.45
USB4105-GF-A [mm]
  rect 0.6x1.15 smd mask+0.05: 1(-3.2,3.68) 2(-2.4,3.68) 11(2.4,3.68) 12(3.2,3.68)
  rect 0.3x1.15 smd mask+0.05: 3(-1.75,3.68) 4(-1.25,3.68) 5(-0.75,3.68) 6(-0.25,3.68) 7(0.25,3.68) 8(0.75,3.68) 9(1.25,3.68) 10(1.75,3.68)
  oval 1x2.1 hole 0.6 slot 1.7 at 90 deg mask+0.05: 13(-4.32,3.105) 14(4.32,3.105)
  oval 1x1.8 hole 0.6 slot 1.4 at 90 deg mask+0.05: 15(-4.32,-1.075) 16(4.32,-1.075)
  round 0 hole 0.65: ""(-2.89,2.605) ""(2.89,2.605)
  silkscreen extent -4.47,-3.67 4.47,4.83, body extent -4.47,-3.72 4.47,3.99, height 3.31